# Altium PCB CM_PCB.PcbDoc (part 6 of 7) (continued)
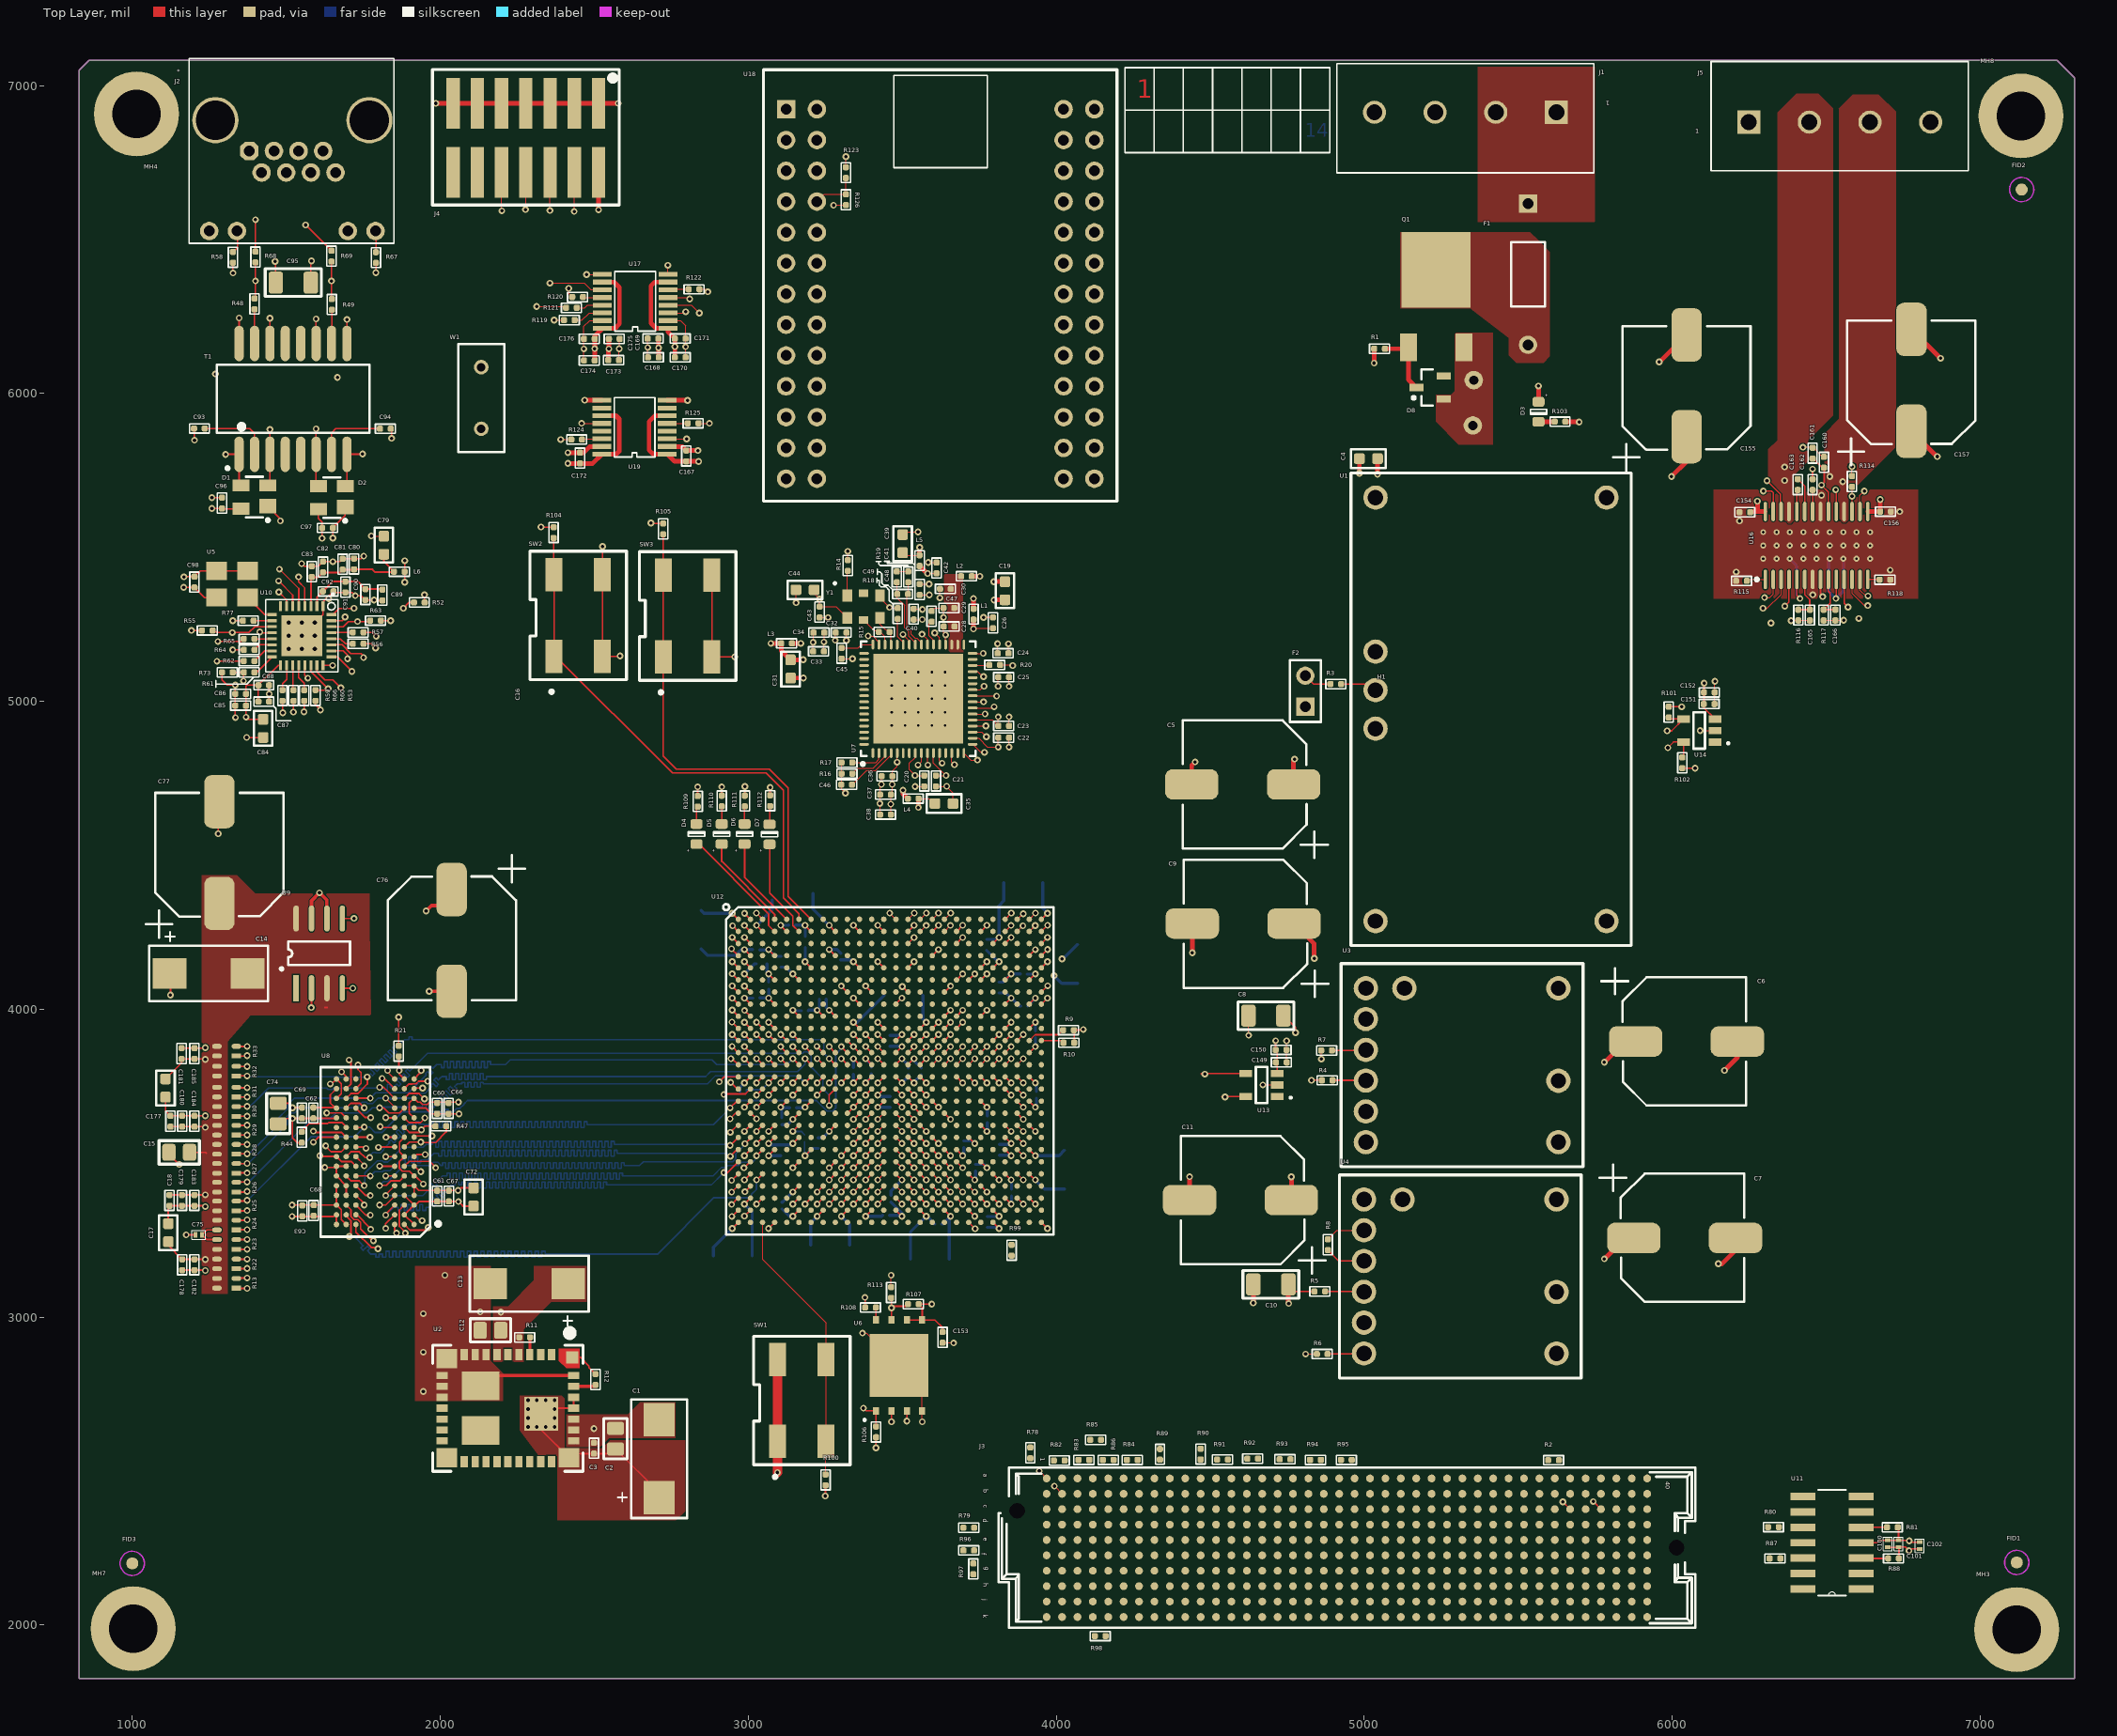
[diagram p0: Top Layer view]
## Nets (pads, with @x,y where several pads share a name; then routed paths per layer and width w, separated by ;. In a path a pad name is that pad's centre, name@x,y a point inside that pad or via, vN(x,y) a via of type N, cw(c..) or ccw(c..) an arc to the next point about the centre after c; other vN are vias at no path point) (continued)
PHY_RXD1: R62.2 U12.L2 | length 2845.6
  Top Layer w4: v1(1275,5130) 1361.15,5130 R62.2@1361.94,5130.8 ; v1(2988,3918) 2988,3917.41 U12.L2@3007.19,3898.22
  DIFF_SE2 w4: v1(1275,5130) 1275,5058 1348,4985 1374,4985 1510,4849 1605,4849 1644,4810 1647.18,4806.82 1651.79,4811.42 1658.15,4805.06 1653.55,4800.45 1648.94,4795.85 1655.3,4789.48 1659.91,4794.09 1664.52,4798.7 1670.88,4792.33 1666.27,4787.73 1661.67,4783.12 1668.03,4776.76 1672.64,4781.36 1677.24,4785.97 1683.61,4779.6 1679,4775 1674.4,4770.39 1680.76,4764.03 1685.37,4768.63 1689.97,4773.24 1696.34,4766.88 1691.73,4762.27 1687.12,4757.66 1693.49,4751.3 1698.09,4755.91 1702.7,4760.51 1709.06,4754.15 1704.46,4749.54 1699.85,4744.94 1706.22,4738.57 1710.82,4743.18 1715.43,4747.78 1721.79,4741.42 1717.19,4736.81 1712.58,4732.21 1718.94,4725.84 1723.55,4730.45 1728.16,4735.06 1734.52,4728.69 1729.91,4724.09 1725.31,4719.48 1731.67,4713.12 1736.28,4717.72 1740.88,4722.33 1747.25,4715.96 1742.64,4711.36 1738.04,4706.75 1744.4,4700.39 1749.01,4704.99 1753.61,4709.6 1759.98,4703.24 1755.37,4698.63 1750.76,4694.02 1757.13,4687.66 1761.73,4692.27 1766.34,4696.87 1772.7,4690.51 1768.1,4685.9 1763.49,4681.3 1769.86,4674.93 1774.46,4679.54 1779.07,4684.14 1785.43,4677.78 1780.83,4673.17 1776.22,4668.57 1782.58,4662.21 1787.19,4666.81 1791.79,4671.42 1798.16,4665.05 1793.55,4660.45 1788.95,4655.84 1795.31,4649.48 1799.92,4654.08 1804.52,4658.69 1810.89,4652.32 1806.28,4647.72 1801.68,4643.11 1808.04,4636.75 1812.64,4641.35 1817.25,4645.96 1823.61,4639.6 1819.01,4634.99 1814.4,4630.39 1820.77,4624.02 1825.37,4628.63 1829.98,4633.23 1836.34,4626.87 1831.74,4622.26 1827.13,4617.66 1833.49,4611.29 1838.1,4615.9 1842.71,4620.51 1849.07,4614.14 1844.46,4609.54 1839.86,4604.93 1846.22,4598.57 1850.83,4603.17 1855.43,4607.78 1861.8,4601.41 1857.19,4596.81 1852.59,4592.2 1858.95,4585.84 1863.56,4590.44 1868.16,4595.05 1874.53,4588.69 1869.92,4584.08 1877.5,4576.5 2541,3913 2923,3913 2939,3897 2967,3897 v1(2988,3918)
PHY_RXD2: R64.2 U12.L1 | length 2845.3
  Top Layer w4: v1(1326,5167) R64.2@1362,5167 ; v1(2948.04,3918) U12.L1@2967.82,3898.22
  DIFF_SE2 w4: v1(1326,5167) 1326,5095 1308,5077 1308,5044 1346,5006 1371,5006 1517,4860 1636,4860 1668,4828 1671.18,4824.82 1675.88,4829.51 1682.24,4823.15 1677.55,4818.45 1672.85,4813.76 1679.22,4807.4 1683.91,4812.09 1688.6,4816.78 1694.97,4810.42 1690.27,4805.73 1685.58,4801.03 1691.94,4794.67 1696.64,4799.36 1701.33,4804.06 1707.7,4797.69 1703,4793 1698.31,4788.3 1704.67,4781.94 1709.37,4786.63 1714.06,4791.33 1720.42,4784.96 1715.73,4780.27 1711.04,4775.58 1717.4,4769.21 1722.09,4773.91 1726.79,4778.6 1733.15,4772.24 1728.46,4767.54 1723.76,4762.85 1730.13,4756.48 1734.82,4761.18 1739.52,4765.87 1745.88,4759.51 1741.19,4754.81 1736.49,4750.12 1742.86,4743.76 1747.55,4748.45 1752.24,4753.14 1758.61,4746.78 1753.91,4742.09 1749.22,4737.39 1755.58,4731.03 1760.28,4735.72 1764.97,4740.42 1771.34,4734.05 1766.64,4729.36 1761.95,4724.66 1768.31,4718.3 1773.01,4722.99 1777.7,4727.69 1784.06,4721.32 1779.37,4716.63 1774.67,4711.94 1781.04,4705.57 1785.73,4710.27 1790.43,4714.96 1796.79,4708.6 1792.1,4703.9 1787.4,4699.21 1793.77,4692.84 1798.46,4697.54 1803.16,4702.23 1809.52,4695.87 1804.83,4691.17 1800.13,4686.48 1806.49,4680.12 1811.19,4684.81 1815.88,4689.51 1822.25,4683.14 1817.55,4678.45 1812.86,4673.75 1819.22,4667.39 1823.92,4672.08 1828.61,4676.78 1834.98,4670.41 1830.28,4665.72 1825.59,4661.02 1831.95,4654.66 1836.64,4659.35 1841.34,4664.05 1847.7,4657.69 1843.01,4652.99 1838.31,4648.3 1844.68,4641.93 1849.37,4646.63 1854.07,4651.32 1860.43,4644.96 1855.74,4640.26 1851.04,4635.57 1857.41,4629.2 1862.1,4633.9 1866.8,4638.59 1873.16,4632.23 1868.46,4627.54 1863.77,4622.84 1870.13,4616.48 1874.83,4621.17 1879.52,4625.87 1885.89,4619.5 1881.19,4614.81 1876.5,4610.11 1882.86,4603.75 1887.56,4608.44 1892.25,4613.14 1898.62,4606.77 1893.92,4602.08 1889.23,4597.39 1895.59,4591.02 1900.28,4595.72 1904.98,4600.41 1911.34,4594.05 1906.65,4589.35 1901.95,4584.66 1908.32,4578.29 1913.01,4582.99 1917.71,4587.68 1924.07,4581.32 1919.38,4576.62 1914.68,4571.93 1921.05,4565.57 1925.74,4570.26 1930.43,4574.95 1936.8,4568.59 1932.1,4563.9 1937.5,4558.5 2574,3922 2944.04,3922 v1(2948.04,3918)
PHY_RXD3: R65.2 U12.M1 | length 2845.3
  Top Layer w4: v1(1278,5194) 1353.15,5194 R65.2@1361.94,5202.8 ; v1(2947.67,3879) U12.M1@2967.82,3858.85
  DIFF_SE2 w4: v1(1278,5194) 1245,5161 1245,5040 1303,4982 1303,4904 1390,4817 1596,4817 1619,4794 1622.18,4790.82 1626.7,4795.34 1633.06,4788.97 1628.55,4784.45 1624.03,4779.94 1630.39,4773.57 1634.91,4778.09 1639.43,4782.61 1645.79,4776.24 1641.27,4771.73 1636.76,4767.21 1643.12,4760.84 1647.64,4765.36 1652.16,4769.88 1658.52,4763.52 1654,4759 1649.48,4754.48 1655.85,4748.12 1660.37,4752.63 1664.88,4757.15 1671.25,4750.79 1666.73,4746.27 1662.21,4741.75 1668.58,4735.39 1673.09,4739.91 1677.61,4744.42 1683.98,4738.06 1679.46,4733.54 1674.94,4729.02 1681.3,4722.66 1685.82,4727.18 1690.34,4731.7 1696.7,4725.33 1692.19,4720.81 1687.67,4716.3 1694.03,4709.93 1698.55,4714.45 1703.07,4718.97 1709.43,4712.6 1704.91,4708.09 1700.4,4703.57 1706.76,4697.2 1711.28,4701.72 1715.8,4706.24 1722.16,4699.88 1717.64,4695.36 1713.12,4690.84 1719.49,4684.48 1724.01,4688.99 1728.52,4693.51 1734.89,4687.15 1730.37,4682.63 1725.85,4678.11 1732.22,4671.75 1736.73,4676.27 1741.25,4680.78 1747.62,4674.42 1743.1,4669.9 1738.58,4665.38 1744.94,4659.02 1749.46,4663.54 1753.98,4668.06 1760.34,4661.69 1755.83,4657.17 1751.31,4652.66 1757.67,4646.29 1762.19,4650.81 1766.71,4655.33 1773.07,4648.96 1768.55,4644.45 1764.04,4639.93 1770.4,4633.57 1774.92,4638.08 1779.43,4642.6 1785.8,4636.24 1781.28,4631.72 1776.76,4627.2 1783.13,4620.84 1787.64,4625.35 1791,4622 2534,3879 v1(2947.67,3879)
PHY_RXDV: R59.2 U12.K1 | length 2845.3
  Top Layer w4: R59.2@1487.44,5001.3 1487.44,4964.56 v1(1489,4963) ; v1(2947.41,3958) U12.K1@2967.82,3937.59
  DIFF_SE2 w4: v1(1489,4963) 1544,4908 1675,4908 1691,4892 1694.18,4888.82 1699.59,4894.23 1705.96,4887.86 1700.55,4882.45 1695.14,4877.04 1701.5,4870.68 1706.91,4876.09 1712.32,4881.5 1718.68,4875.14 1713.27,4869.73 1707.86,4864.32 1714.23,4857.95 1719.64,4863.36 1725.05,4868.77 1731.41,4862.41 1726,4857 1720.59,4851.59 1726.96,4845.22 1732.37,4850.63 1737.78,4856.04 1744.14,4849.68 1738.73,4844.27 1733.32,4838.86 1739.68,4832.5 1745.09,4837.91 1750.5,4843.32 1756.87,4836.95 1751.46,4831.54 1746.05,4826.13 1752.41,4819.77 1757.82,4825.18 1763.23,4830.59 1769.6,4824.22 1764.19,4818.81 1758.78,4813.4 1765.14,4807.04 1770.55,4812.45 1775.96,4817.86 1782.32,4811.5 1776.91,4806.09 1771.5,4800.68 1777.87,4794.31 1783.28,4799.72 1788.69,4805.13 1795.05,4798.77 1789.64,4793.36 1784.23,4787.95 1790.6,4781.58 1796.01,4786.99 1801.41,4792.4 1807.78,4786.04 1802.37,4780.63 1796.96,4775.22 1803.32,4768.86 1808.73,4774.27 1814.14,4779.68 1820.51,4773.31 1815.1,4767.9 1809.69,4762.49 1816.05,4756.13 1821.46,4761.54 1826.87,4766.95 1833.23,4760.58 1827.83,4755.17 1822.42,4749.77 1828.78,4743.4 1834.19,4748.81 1839.6,4754.22 1845.96,4747.86 1840.55,4742.45 1835.14,4737.04 1841.51,4730.67 1846.92,4736.08 1852.33,4741.49 1858.69,4735.13 1853.28,4729.72 1847.87,4724.31 1854.24,4717.95 1859.64,4723.35 1865.05,4728.76 1871.42,4722.4 1866.01,4716.99 1860.6,4711.58 1866.96,4705.22 1872.37,4710.63 1877.78,4716.04 1884.15,4709.67 1878.74,4704.26 1873.33,4698.85 1879.69,4692.49 1885.1,4697.9 1890.51,4703.31 1896.87,4696.94 1891.46,4691.54 1886.06,4686.13 1892.42,4679.76 1897.83,4685.17 1903.24,4690.58 1909.6,4684.22 1904.19,4678.81 1898.78,4673.4 1905.15,4667.03 1910.56,4672.44 1915.97,4677.85 1922.33,4671.49 1916.92,4666.08 1911.51,4660.67 1917.87,4654.31 1923.28,4659.72 1928.69,4665.13 1935.06,4658.76 1929.65,4653.35 1924.24,4647.94 1930.6,4641.58 1936.01,4646.99 1941.42,4652.4 1947.79,4646.03 1942.38,4640.62 1936.97,4635.21 1943.33,4628.85 1948.74,4634.26 1954.15,4639.67 1960.51,4633.31 1955.1,4627.9 1949.69,4622.49 1956.06,4616.12 1961.47,4621.53 1966.88,4626.94 1973.24,4620.58 1967.83,4615.17 1962.42,4609.76 1968.79,4603.39 1974.2,4608.8 1979.61,4614.21 1985.97,4607.85 1980.56,4602.44 1975.15,4597.03 1981.51,4590.67 1986.92,4596.08 1992.33,4601.49 1998.7,4595.12 1993.29,4589.71 1987.88,4584.3 1994.24,4577.94 1999.65,4583.35 2005.06,4588.76 2011.43,4582.39 2006.02,4576.98 2000.61,4571.57 2006.97,4565.21 2012.38,4570.62 2017.79,4576.03 2024.15,4569.67 2018.74,4564.26 2013.33,4558.85 2019.7,4552.48 2025.11,4557.89 2030.52,4563.3 2036.88,4556.94 2031.47,4551.53 2026.06,4546.12 2032.43,4539.75 2037.84,4545.16 2043.25,4550.57 2049.61,4544.21 2044.2,4538.8 2038.79,4533.39 2045.15,4527.03 2050.56,4532.44 2055.97,4537.85 2062.34,4531.48 2056.93,4526.07 2051.52,4520.66 2057.88,4514.3 2063.29,4519.71 2068.7,4525.12 2075.07,4518.75 2069.66,4513.34 2078.5,4504.5 2625,3958 v1(2947.41,3958)
PHY_RXER: R60.2 U12.J2 | length 2845.4
  Top Layer w4: v1(1557.44,4965.44) 1558.44,4965.44 R60.2@1558.44,5001.3 ; v1(2988.15,3996) U12.J2@3007.19,3976.96
  HS1 w4: v1@2988,3996 v1(2988.15,3996)
  DIFF_SE2 w4: v1(1557.44,4965.44) 1580.89,4942 1733,4942 1745,4930 1748.18,4926.82 1753.78,4932.41 1760.14,4926.05 1754.55,4920.45 1748.95,4914.86 1755.32,4908.5 1760.91,4914.09 1766.5,4919.68 1772.87,4913.32 1767.27,4907.73 1761.68,4902.13 1768.04,4895.77 1773.64,4901.36 1779.23,4906.96 1785.6,4900.59 1780,4895 1774.41,4889.4 1780.77,4883.04 1786.37,4888.63 1791.96,4894.23 1798.32,4887.86 1792.73,4882.27 1787.14,4876.68 1793.5,4870.31 1799.09,4875.91 1804.69,4881.5 1811.05,4875.14 1805.46,4869.54 1799.86,4863.95 1806.23,4857.59 1811.82,4863.18 1817.41,4868.77 1823.78,4862.41 1818.19,4856.81 1812.59,4851.22 1818.96,4844.86 1824.55,4850.45 1830.14,4856.04 1836.51,4849.68 1830.91,4844.09 1825.32,4838.49 1831.68,4832.13 1837.28,4837.72 1842.87,4843.32 1849.23,4836.95 1843.64,4831.36 1838.05,4825.77 1844.41,4819.4 1850.01,4824.99 1855.6,4830.59 1861.96,4824.22 1856.37,4818.63 1850.78,4813.04 1857.14,4806.67 1862.73,4812.27 1868.33,4817.86 1874.69,4811.5 1869.1,4805.9 1863.5,4800.31 1869.87,4793.95 1875.46,4799.54 1881.05,4805.13 1887.42,4798.77 1881.83,4793.17 1876.23,4787.58 1882.6,4781.22 1888.19,4786.81 1893.78,4792.4 1900.15,4786.04 1894.55,4780.45 1888.96,4774.85 1895.32,4768.49 1900.92,4774.08 1906.51,4779.68 1912.87,4773.31 1907.28,4767.72 1901.69,4762.13 1908.05,4755.76 1913.64,4761.35 1919.24,4766.95 1925.6,4760.58 1920.01,4754.99 1914.42,4749.4 1920.78,4743.03 1926.37,4748.63 1931.97,4754.22 1938.33,4747.86 1932.74,4742.26 1927.14,4736.67 1933.51,4730.31 1939.1,4735.9 1944.69,4741.49 1951.06,4735.13 1945.46,4729.54 1939.87,4723.94 1946.24,4717.58 1951.83,4723.17 1957.42,4728.76 1963.79,4722.4 1958.19,4716.81 1952.6,4711.21 1958.96,4704.85 1964.56,4710.44 1970.15,4716.04 1976.51,4709.67 1970.92,4704.08 1965.33,4698.49 1971.69,4692.12 1977.28,4697.72 1982.88,4703.31 1989.24,4696.94 1983.65,4691.35 1978.06,4685.76 1984.42,4679.39 1990.01,4684.99 1995.61,4690.58 2001.97,4684.22 1996.38,4678.62 1990.78,4673.03 1997.15,4666.67 2002.74,4672.26 2008.33,4677.85 2014.7,4671.49 2009.1,4665.9 2003.51,4660.3 2009.88,4653.94 2015.47,4659.53 2021.06,4665.12 2027.43,4658.76 2021.83,4653.17 2016.24,4647.57 2022.6,4641.21 2028.2,4646.8 2033.79,4652.4 2040.15,4646.03 2034.56,4640.44 2028.97,4634.85 2035.33,4628.48 2040.92,4634.08 2046.52,4639.67 2052.88,4633.31 2047.29,4627.71 2041.69,4622.12 2048.06,4615.75 2053.65,4621.35 2059.25,4626.94 2065.61,4620.58 2060.02,4614.98 2054.42,4609.39 2060.79,4603.03 2066.38,4608.62 2071.97,4614.21 2078.34,4607.85 2072.74,4602.26 2067.15,4596.66 2073.51,4590.3 2079.11,4595.89 2084.7,4601.49 2091.07,4595.12 2085.47,4589.53 2079.88,4583.93 2086.24,4577.57 2091.84,4583.16 2097.43,4588.76 2103.79,4582.39 2098.2,4576.8 2092.61,4571.21 2098.97,4564.84 2104.56,4570.44 2110.16,4576.03 2116.52,4569.67 2110.93,4564.07 2105.33,4558.48 2111.7,4552.11 2117.29,4557.71 2122.89,4563.3 2129.25,4556.94 2123.66,4551.34 2118.06,4545.75 2124.43,4539.39 2130.02,4544.98 2132.5,4542.5 2659,4016 2968.15,4016 v1(2988.15,3996)
PHY_TX_N: D1.2 T1.3 U10.6 | length 855.5
  Top Layer w5: D1.2@1440.25,5701.09 1446.94,5707.78 T1.3@1446.94,5802.3 1446.94,5882.94 v1(1447,5883) ; v1(1475,5391) 1520.92,5345.08 U10.6@1520.92,5309.25
  DIFF_SE1 w3: v1(1447,5883) 1436.66,5872.66 1436.66,5844 1436.66,5836.66 1449.27,5836.66 1449.27,5828.66 1436.66,5828.66 1436.66,5820.66 1436.66,5816.66 1441,5812.31 1441,5389 1453,5377 1461,5377 v1(1475,5391)
PHY_TX_P: D1.3 T1.1 U10.7 | length 805.1
  Top Layer w5: v1(1303,5802) 1303.3,5802.3 T1.1@1346.94,5802.3 1346.94,5707.78 D1.3@1353.64,5701.09 ; v1(1476,5355) 1501.23,5329.77 U10.7@1501.23,5309.25
  DIFF_SE1 w3: 1312,5811 1431,5811 1433,5809 1433,5385.69 1449.69,5369 1462,5369 v1(1476,5355)
PHY_TXC: R53.1 U10.22 U12.G1 | length 2845.3
  Top Layer w4: U10.22@1579.97,5116.34 1579.97,5097.03 v1(1636,5041) 1631.5,5036.5 R53.1@1595,5036.5 ; v1(2948,4075.52) U12.G1@2967.82,4055.7
  DIFF_SE2 w4: v1(1636,5041) 1655,5022 1724,5022 1729.5,5022 1729.5,5018.39 1738.5,5018.39 1738.5,5022 1743,5022 1754,5022 1764,5012 1767.18,5008.82 1772.91,5014.55 1779.28,5008.19 1773.55,5002.45 1767.81,4996.72 1774.18,4990.36 1779.91,4996.09 1785.64,5001.82 1792.01,4995.46 1786.27,4989.73 1780.54,4983.99 1786.9,4977.63 1792.64,4983.36 1798.37,4989.1 1804.73,4982.73 1799,4977 1793.27,4971.27 1799.63,4964.9 1805.37,4970.63 1811.1,4976.37 1817.46,4970 1811.73,4964.27 1806,4958.54 1812.36,4952.17 1818.09,4957.91 1823.83,4963.64 1830.19,4957.28 1824.46,4951.54 1818.72,4945.81 1825.09,4939.45 1830.82,4945.18 1836.55,4950.91 1842.92,4944.55 1837.19,4938.81 1831.45,4933.08 1837.82,4926.72 1843.55,4932.45 1849.28,4938.18 1855.65,4931.82 1849.91,4926.09 1844.18,4920.35 1850.54,4913.99 1856.28,4919.72 1862.01,4925.46 1868.37,4919.09 1862.64,4913.36 1856.91,4907.63 1863.27,4901.26 1869.01,4906.99 1874.74,4912.73 1881.1,4906.36 1875.37,4900.63 1869.64,4894.9 1876,4888.53 1881.73,4894.27 1887.47,4900 1893.83,4893.64 1888.1,4887.9 1882.36,4882.17 1888.73,4875.81 1894.46,4881.54 1900.19,4887.27 1906.56,4880.91 1900.83,4875.17 1895.09,4869.44 1901.46,4863.08 1907.19,4868.81 1912.92,4874.54 1919.29,4868.18 1913.55,4862.45 1907.82,4856.71 1914.18,4850.35 1919.92,4856.08 1925.65,4861.82 1932.01,4855.45 1926.28,4849.72 1920.55,4843.99 1926.91,4837.62 1932.64,4843.35 1938.38,4849.09 1944.74,4842.72 1939.01,4836.99 1933.28,4831.26 1939.64,4824.89 1945.37,4830.63 1951.11,4836.36 1957.47,4830 1951.74,4824.26 1946,4818.53 1952.37,4812.17 1958.1,4817.9 1963.83,4823.63 1970.2,4817.27 1964.46,4811.54 1958.73,4805.8 1965.1,4799.44 1970.83,4805.17 1976.56,4810.9 1982.93,4804.54 1977.19,4798.81 1971.46,4793.07 1977.82,4786.71 1983.56,4792.44 1989.29,4798.18 1995.65,4791.81 1989.92,4786.08 1984.19,4780.35 1990.55,4773.98 1996.28,4779.72 2002.02,4785.45 2008.38,4779.08 2002.65,4773.35 1996.92,4767.62 2003.28,4761.25 2009.01,4766.99 2014.75,4772.72 2021.11,4766.36 2015.38,4760.62 2009.64,4754.89 2016.01,4748.53 2021.74,4754.26 2027.47,4759.99 2033.84,4753.63 2028.1,4747.9 2022.37,4742.16 2028.74,4735.8 2034.47,4741.53 2040.2,4747.26 2046.57,4740.9 2040.83,4735.17 2035.1,4729.43 2041.46,4723.07 2047.2,4728.8 2052.93,4734.54 2059.29,4728.17 2053.56,4722.44 2047.83,4716.71 2054.19,4710.34 2059.92,4716.08 2065.66,4721.81 2072.02,4715.44 2066.29,4709.71 2060.56,4703.98 2066.92,4697.61 2072.65,4703.35 2078.39,4709.08 2084.75,4702.72 2079.02,4696.98 2073.28,4691.25 2079.65,4684.89 2085.38,4690.62 2091.11,4696.35 2097.48,4689.99 2091.74,4684.26 2086.01,4678.52 2092.38,4672.16 2098.11,4677.89 2103.84,4683.62 2110.2,4677.26 2104.47,4671.53 2098.74,4665.8 2105.1,4659.43 2110.84,4665.16 2116.57,4670.9 2122.93,4664.53 2117.2,4658.8 2111.47,4653.07 2117.83,4646.7 2123.56,4652.44 2129.3,4658.17 2135.66,4651.81 2129.93,4646.07 2124.19,4640.34 2130.56,4633.98 2136.29,4639.71 2142.02,4645.44 2148.39,4639.08 2142.66,4633.34 2156,4620 2700.48,4075.52 v1(2948,4075.52)
PHY_TXD0: U10.24 U12.F1 | length 2845.3
  Top Layer w4: U10.24@1619.34,5116.34 v1(1650.66,5116.34) ; v1(2948,4114.89) U12.F1@2967.82,4095.07
  DIFF_SE2 w4: v1(1650.66,5116.34) 1697,5070 1808,5070 1819.5,5058.5 1822.68,5055.32 1828.35,5060.98 1834.71,5054.62 1829.05,5048.95 1823.38,5043.29 1829.74,5036.92 1835.41,5042.59 1841.08,5048.26 1847.44,5041.89 1841.77,5036.23 1836.11,5030.56 1842.47,5024.2 1848.14,5029.86 1853.8,5035.53 1860.17,5029.16 1854.5,5023.5 1848.84,5017.83 1855.2,5011.47 1860.87,5017.13 1866.53,5022.8 1872.9,5016.44 1867.23,5010.77 1861.56,5005.1 1867.93,4998.74 1873.59,5004.41 1879.26,5010.07 1885.62,5003.71 1879.96,4998.04 1874.29,4992.38 1880.66,4986.01 1886.32,4991.68 1891.99,4997.34 1898.35,4990.98 1892.69,4985.31 1887.02,4979.65 1893.38,4973.28 1899.05,4978.95 1904.72,4984.62 1911.08,4978.25 1905.41,4972.59 1899.75,4966.92 1906.11,4960.56 1911.78,4966.22 1917.44,4971.89 1923.81,4965.52 1918.14,4959.86 1912.48,4954.19 1918.84,4947.83 1924.51,4953.49 1930.17,4959.16 1936.54,4952.8 1930.87,4947.13 1925.2,4941.46 1931.57,4935.1 1937.23,4940.77 1942.9,4946.43 1949.26,4940.07 1943.6,4934.4 1937.93,4928.74 1944.3,4922.37 1949.96,4928.04 1955.63,4933.7 1961.99,4927.34 1956.33,4921.67 1950.66,4916.01 1957.02,4909.64 1962.69,4915.31 1968.36,4920.98 1974.72,4914.61 1969.05,4908.95 1963.39,4903.28 1969.75,4896.92 1975.42,4902.58 1981.08,4908.25 1987.45,4901.89 1981.78,4896.22 1976.11,4890.55 1982.48,4884.19 1988.14,4889.85 1993.81,4895.52 2000.18,4889.16 1994.51,4883.49 1988.84,4877.82 1995.21,4871.46 2000.87,4877.13 2006.54,4882.79 2012.9,4876.43 2007.24,4870.76 2001.57,4865.1 2007.93,4858.73 2013.6,4864.4 2019.27,4870.07 2025.63,4863.7 2019.96,4858.04 2014.3,4852.37 2020.66,4846.01 2026.33,4851.67 2031.99,4857.34 2038.36,4850.97 2032.69,4845.31 2027.03,4839.64 2033.39,4833.28 2039.06,4838.94 2044.72,4844.61 2051.09,4838.25 2045.42,4832.58 2039.75,4826.91 2046.12,4820.55 2051.78,4826.22 2057.45,4831.88 2063.81,4825.52 2058.15,4819.85 2052.48,4814.19 2058.85,4807.82 2064.51,4813.49 2070.18,4819.15 2076.54,4812.79 2070.88,4807.12 2065.21,4801.46 2071.57,4795.09 2077.24,4800.76 2082.91,4806.43 2089.27,4800.06 2083.6,4794.4 2077.94,4788.73 2084.3,4782.37 2089.97,4788.03 2095.63,4793.7 2102,4787.33 2096.33,4781.67 2090.67,4776 2097.03,4769.64 2102.7,4775.3 2108.36,4780.97 2114.73,4774.61 2109.06,4768.94 2103.39,4763.27 2109.76,4756.91 2115.42,4762.58 2121.09,4768.24 2127.45,4761.88 2121.79,4756.21 2116.12,4750.55 2122.49,4744.18 2128.15,4749.85 2133.82,4755.51 2140.18,4749.15 2134.52,4743.48 2128.85,4737.82 2135.21,4731.45 2140.88,4737.12 2146.55,4742.79 2152.91,4736.42 2147.24,4730.76 2141.58,4725.09 2147.94,4718.73 2153.61,4724.39 2159.27,4730.06 2165.64,4723.69 2159.97,4718.03 2154.31,4712.36 2160.67,4706 2166.34,4711.66 2172,4717.33 2178.37,4710.97 2172.7,4705.3 2167.03,4699.63 2173.4,4693.27 2179.06,4698.94 2184.73,4704.6 2191.09,4698.24 2185.43,4692.57 2179.76,4686.91 2186.13,4680.54 2191.79,4686.21 2197.46,4691.87 2203.82,4685.51 2198.16,4679.84 2192.49,4674.18 2198.85,4667.81 2204.52,4673.48 2210.19,4679.15 2216.55,4672.78 2210.88,4667.12 2205.22,4661.45 2211.58,4655.09 2217.25,4660.75 2222.91,4666.42 2229.28,4660.05 2223.61,4654.39 2217.95,4648.72 2224.31,4642.36 2229.98,4648.02 2235.64,4653.69 2242.01,4647.33 2236.34,4641.66 2230.67,4635.99 2237.04,4629.63 2242.7,4635.3 2248.37,4640.96 2254.73,4634.6 2249.07,4628.93 2252.5,4625.5 2763.11,4114.89 v1(2948,4114.89)
PHY_TXD1: U10.25 U12.E1 | length 2845.3
  Top Layer w4: U10.25@1646.9,5143.9 1667.1,5143.9 1713,5098 v1(1713,5097) ; v1(2948.26,4154) U12.E1@2967.82,4134.44
  DIFF_SE2 w4: v1(1713,5097) 1827,5097 1839,5085 1842.18,5081.82 1847.85,5087.48 1854.21,5081.12 1848.55,5075.45 1842.88,5069.79 1849.24,5063.43 1854.91,5069.09 1860.58,5074.76 1866.94,5068.39 1861.27,5062.73 1855.61,5057.06 1861.97,5050.7 1867.64,5056.36 1873.3,5062.03 1879.67,5055.66 1874,5050 1868.34,5044.33 1874.7,5037.97 1880.37,5043.63 1886.03,5049.3 1892.39,5042.94 1886.73,5037.27 1881.06,5031.61 1887.43,5025.24 1893.09,5030.91 1898.76,5036.57 1905.12,5030.21 1899.46,5024.54 1893.79,5018.88 1900.16,5012.51 1905.82,5018.18 1911.49,5023.84 1917.85,5017.48 1912.19,5011.81 1906.52,5006.15 1912.88,4999.79 1918.55,5005.45 1924.21,5011.12 1930.58,5004.75 1924.91,4999.09 1919.25,4993.42 1925.61,4987.06 1931.28,4992.72 1936.94,4998.39 1943.31,4992.02 1937.64,4986.36 1931.98,4980.69 1938.34,4974.33 1944.01,4979.99 1949.67,4985.66 1956.03,4979.3 1950.37,4973.63 1944.7,4967.97 1951.07,4961.6 1956.73,4967.27 1962.4,4972.93 1968.76,4966.57 1963.1,4960.9 1957.43,4955.24 1963.8,4948.87 1969.46,4954.54 1975.13,4960.2 1981.49,4953.84 1975.83,4948.17 1970.16,4942.51 1976.52,4936.15 1982.19,4941.81 1987.85,4947.48 1994.22,4941.11 1988.55,4935.45 1982.89,4929.78 1989.25,4923.42 1994.92,4929.08 2000.58,4934.75 2006.95,4928.38 2001.28,4922.72 1995.62,4917.05 2001.98,4910.69 2007.64,4916.35 2013.31,4922.02 2019.67,4915.66 2014.01,4909.99 2008.34,4904.33 2014.71,4897.96 2020.37,4903.63 2026.04,4909.29 2032.4,4902.93 2026.74,4897.26 2021.07,4891.6 2027.44,4885.23 2033.1,4890.9 2038.77,4896.56 2045.13,4890.2 2039.46,4884.54 2033.8,4878.87 2040.16,4872.51 2045.83,4878.17 2051.49,4883.84 2057.86,4877.47 2052.19,4871.81 2046.53,4866.14 2052.89,4859.78 2058.56,4865.44 2064.22,4871.11 2070.59,4864.74 2064.92,4859.08 2059.26,4853.41 2065.62,4847.05 2071.28,4852.72 2076.95,4858.38 2083.31,4852.02 2077.65,4846.35 2071.98,4840.69 2078.35,4834.32 2084.01,4839.99 2089.68,4845.65 2096.04,4839.29 2090.38,4833.62 2084.71,4827.96 2091.08,4821.59 2096.74,4827.26 2102.41,4832.92 2108.77,4826.56 2103.1,4820.9 2097.44,4815.23 2103.8,4808.87 2109.47,4814.53 2115.13,4820.2 2121.5,4813.83 2115.83,4808.17 2110.17,4802.5 2116.53,4796.14 2122.2,4801.8 2127.86,4807.47 2134.23,4801.1 2128.56,4795.44 2122.9,4789.77 2129.26,4783.41 2134.92,4789.08 2140.59,4794.74 2146.95,4788.38 2141.29,4782.71 2135.62,4777.05 2141.99,4770.68 2147.65,4776.35 2153.32,4782.01 2159.68,4775.65 2154.02,4769.98 2148.35,4764.32 2154.71,4757.95 2160.38,4763.62 2166.05,4769.29 2172.41,4762.92 2166.74,4757.26 2161.08,4751.59 2167.44,4745.23 2173.11,4750.89 2178.77,4756.56 2185.14,4750.19 2179.47,4744.53 2173.81,4738.86 2180.17,4732.5 2185.84,4738.16 2191.5,4743.83 2197.86,4737.47 2192.2,4731.8 2186.53,4726.14 2192.9,4719.77 2198.56,4725.44 2204.23,4731.1 2210.59,4724.74 2204.93,4719.07 2199.26,4713.41 2205.63,4707.04 2211.29,4712.71 2216.96,4718.37 2223.32,4712.01 2217.66,4706.34 2211.99,4700.68 2218.35,4694.32 2224.02,4699.98 2229.68,4705.65 2236.05,4699.28 2230.38,4693.62 2224.72,4687.95 2231.08,4681.59 2236.75,4687.25 2242.41,4692.92 2248.78,4686.55 2243.11,4680.89 2237.45,4675.22 2243.81,4668.86 2249.48,4674.52 2255.14,4680.19 2261.5,4673.83 2255.84,4668.16 2250.17,4662.5 2256.54,4656.13 2262.2,4661.8 2267.87,4667.46 2274.23,4661.1 2268.57,4655.43 2262.9,4649.77 2269.27,4643.4 2274.93,4649.07 2280.6,4654.73 2286.96,4648.37 2281.3,4642.7 2285.5,4638.5 2770,4154 v1(2948.26,4154)
PHY_TXD2: U10.26 U12.E2 | length 2845.3
  Top Layer w4: U10.26@1646.9,5163.58 1685.42,5163.58 1699,5150 v1(1699,5138) ; v1(2987.63,4154) U12.E2@3007.19,4134.44
  DIFF_SE2 w4: v1(1699,5138) 1715,5122 1849,5122 1857,5114 1860.18,5110.82 1865.73,5116.37 1872.1,5110 1866.55,5104.45 1861,5098.9 1867.36,5092.54 1872.91,5098.09 1878.46,5103.64 1884.82,5097.28 1879.27,5091.73 1873.72,5086.18 1880.09,5079.81 1885.64,5085.36 1891.19,5090.91 1897.55,5084.55 1892,5079 1886.45,5073.45 1892.82,5067.08 1898.37,5072.63 1903.92,5078.18 1910.28,5071.82 1904.73,5066.27 1899.18,5060.72 1905.54,5054.36 1911.09,5059.91 1916.64,5065.46 1923.01,5059.09 1917.46,5053.54 1911.91,5047.99 1918.27,5041.63 1923.82,5047.18 1929.37,5052.73 1935.74,5046.36 1930.19,5040.81 1924.64,5035.26 1931,5028.9 1936.55,5034.45 1942.1,5040 1948.46,5033.64 1942.91,5028.09 1937.36,5022.54 1943.73,5016.17 1949.28,5021.72 1954.83,5027.27 1961.19,5020.91 1955.64,5015.36 1950.09,5009.81 1956.46,5003.45 1962.01,5008.99 1967.55,5014.54 1973.92,5008.18 1968.37,5002.63 1962.82,4997.08 1969.18,4990.72 1974.73,4996.27 1980.28,5001.82 1986.65,4995.45 1981.1,4989.9 1975.55,4984.35 1981.91,4977.99 1987.46,4983.54 1993.01,4989.09 1999.37,4982.72 1993.83,4977.17 1988.28,4971.63 1994.64,4965.26 2000.19,4970.81 2005.74,4976.36 2012.1,4970 2006.55,4964.45 2001,4958.9 2007.37,4952.53 2012.92,4958.08 2018.47,4963.63 2024.83,4957.27 2019.28,4951.72 2013.73,4946.17 2020.1,4939.81 2025.64,4945.35 2031.19,4950.9 2037.56,4944.54 2032.01,4938.99 2026.46,4933.44 2032.82,4927.08 2038.37,4932.63 2043.92,4938.18 2050.29,4931.81 2044.74,4926.26 2039.19,4920.71 2045.55,4914.35 2051.1,4919.9 2056.65,4925.45 2063.01,4919.08 2057.46,4913.54 2051.92,4907.99 2058.28,4901.62 2063.83,4907.17 2069.38,4912.72 2075.74,4906.36 2070.19,4900.81 2064.64,4895.26 2071.01,4888.89 2076.56,4894.44 2082.11,4899.99 2088.47,4893.63 2082.92,4888.08 2077.37,4882.53 2083.74,4876.17 2089.28,4881.72 2094.83,4887.26 2101.2,4880.9 2095.65,4875.35 2090.1,4869.8 2096.46,4863.44 2102.01,4868.99 2107.56,4874.54 2113.93,4868.17 2108.38,4862.62 2102.83,4857.07 2109.19,4850.71 2114.74,4856.26 2120.29,4861.81 2126.65,4855.44 2121.1,4849.9 2115.55,4844.35 2121.92,4837.98 2127.47,4843.53 2133.02,4849.08 2139.38,4842.72 2133.83,4837.17 2128.28,4831.62 2134.65,4825.25 2140.2,4830.8 2145.75,4836.35 2152.11,4829.99 2146.56,4824.44 2141.01,4818.89 2147.37,4812.53 2152.92,4818.08 2158.47,4823.63 2164.84,4817.26 2159.29,4811.71 2153.74,4806.16 2160.1,4799.8 2165.65,4805.35 2171.2,4810.9 2177.57,4804.53 2172.02,4798.98 2166.47,4793.43 2172.83,4787.07 2178.38,4792.62 2183.93,4798.17 2190.29,4791.81 2184.74,4786.26 2179.19,4780.71 2185.56,4774.34 2191.11,4779.89 2196.66,4785.44 2203.02,4779.08 2197.47,4773.53 2191.92,4767.98 2198.29,4761.61 2203.84,4767.16 2209.39,4772.71 2215.75,4766.35 2210.2,4760.8 2204.65,4755.25 2211.01,4748.89 2216.56,4754.44 2222.11,4759.99 2228.48,4753.62 2222.93,4748.07 2217.38,4742.52 2223.74,4736.16 2229.29,4741.71 2234.84,4747.26 2241.21,4740.89 2235.66,4735.34 2230.11,4729.79 2236.47,4723.43 2242.02,4728.98 2247.57,4734.53 2253.93,4728.17 2248.38,4722.62 2242.83,4717.07 2249.2,4710.7 2254.75,4716.25 2260.3,4721.8 2266.66,4715.44 2261.11,4709.89 2255.56,4704.34 2261.93,4697.98 2267.48,4703.52 2273.03,4709.07 2279.39,4702.71 2273.84,4697.16 2268.29,4691.61 2274.65,4685.25 2280.2,4690.8 2285.75,4696.35 2292.12,4689.98 2286.57,4684.43 2300,4671 2796,4175 2966.63,4175 v1(2987.63,4154)